# Altium PCB ALCT_MEZ_LX150T.PcbDoc (part 5 of 8)
Units mil, origin at the board's own origin, x right, y up, seen from the top; angles counter-clockwise.
Board outline 4101.98 x 5875.01 mil, 12 copper layers (Top Layer, Mid-Layer 1, +3V3, Mid-Layer 2, +1V2, Mid-Layer 4, +2V5, Mid-Layer 5, GND1, Mid-Layer 7, GND2, Bottom Layer), stack 64.7 mil thick; 378 components, 616 nets, 2487 pads, 1686 vias.
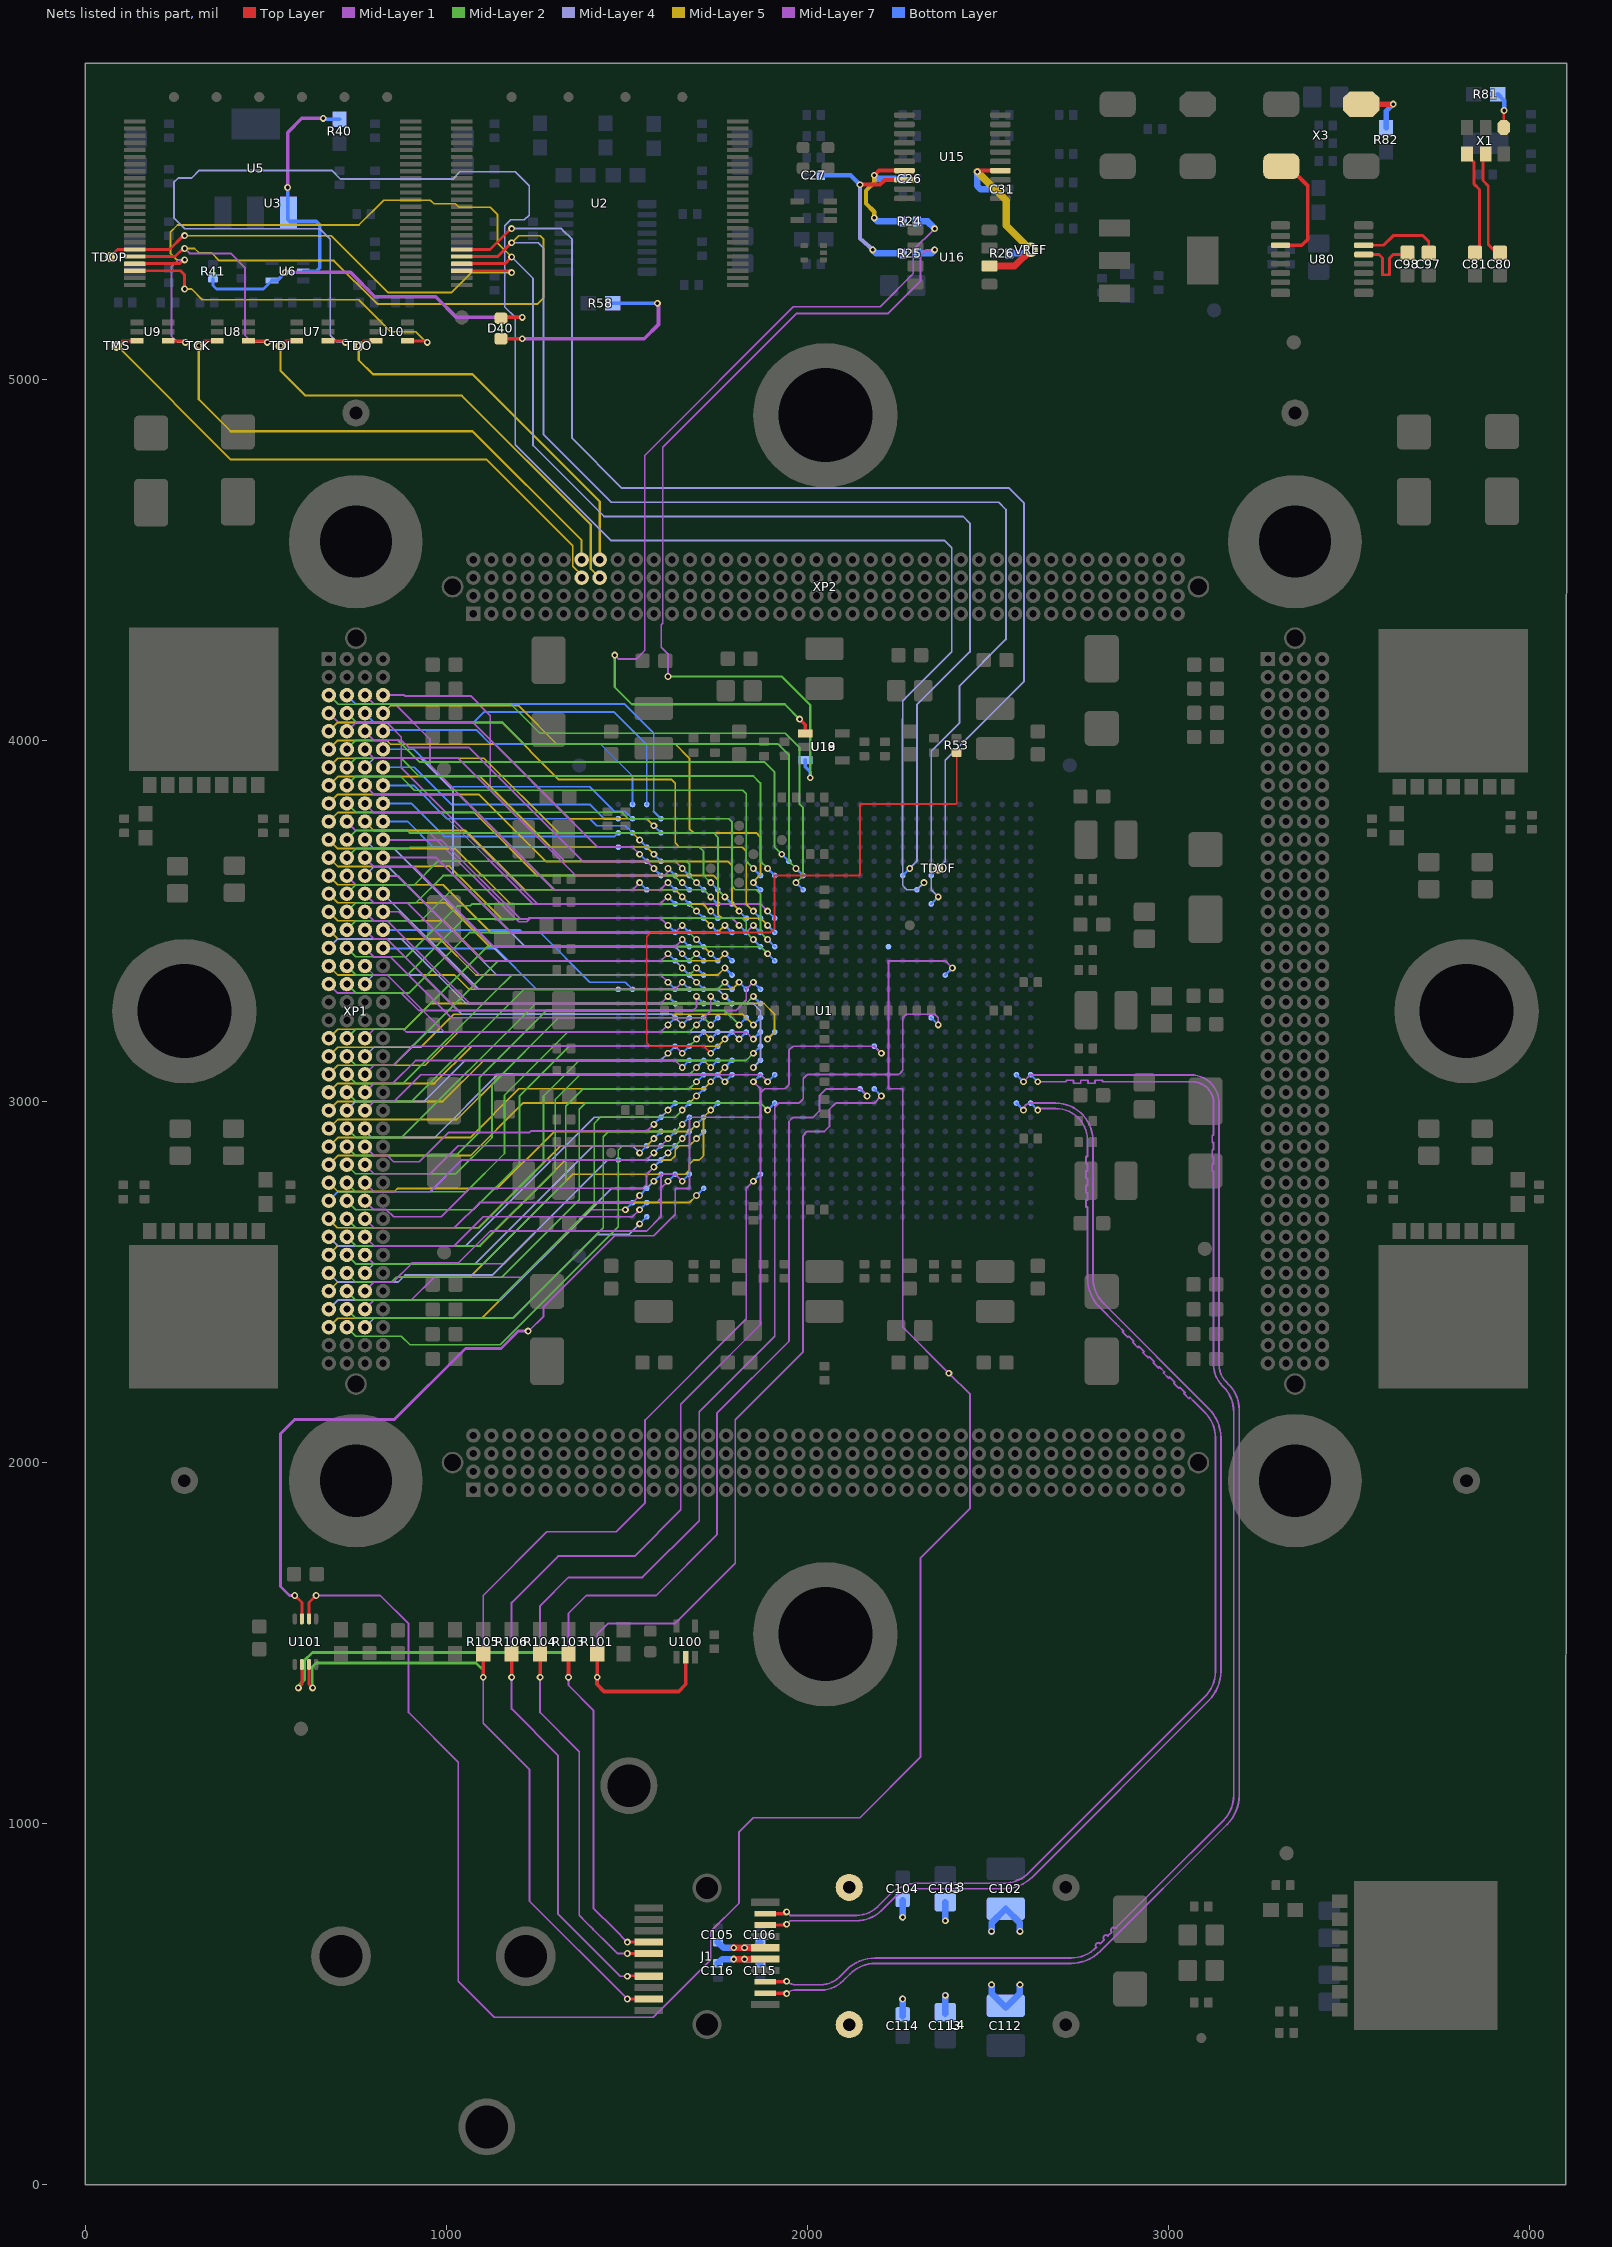
[diagram p15: the nets of this part, all layers, seen from the top]

## Via types
v1: diameter 19, hole 10, Top Layer to Bottom Layer, tented both sides, 1667 vias
v2: diameter 40, hole 20, Top Layer to Bottom Layer, 12 vias
v3: diameter 19, hole 10, Top Layer to Bottom Layer, 7 vias

## Nets (pads, with @x,y where several pads share a name; then routed paths per layer and width w, separated by ;. In a path a pad name is that pad's centre, name@x,y a point inside that pad or via, vN(x,y) a via of type N, cw(c..) or ccw(c..) an arc to the next point about the centre after c; other vN are vias at no path point) (continued)
osc0_n: C80.1 X1.5 | length 309
  Top Layer w4: X1.5@3868.11,5610.74 3868.11,5613.59 X1.5@3877.95,5623.43
  Top Layer w8: X1.5@3870.18,5610.74 3870.18,5549.61 3885.19,5534.61 3885.19,5451.19 ; 3885.19,5456.11 3885.19,5451.19 ; 3890.11,5367.53 3885.19,5372.45 ; C80.1@3907.48,5345.87 3907.48,5350.16 3885.19,5372.45 ; 3885.19,5372.45 3885.19,5451.19
osc0_p: C81.1 X1.4 | length 312.1
  Top Layer w4: C81.1@3848.43,5345.87 C81.1@3858.27,5355.71
  Top Layer w8: X1.4@3826.38,5623.43 3826.38,5619.5 3846.18,5599.7 3846.18,5539.67 3861.19,5524.66 3861.19,5437.38 ; C81.1@3858.27,5355.71 C81.1@3861.19,5358.64 ; C81.1@3861.19,5362.51 3861.19,5437.38 ; 3861.19,5456.11 3861.19,5437.38
osc80_lvcmos: U80.3 X3.3 | length 326.6
  Top Layer w10: U80.3@3310.04,5370.48 3369.09,5370.48 3385.83,5387.21 3385.83,5534.85 3331.69,5588.98 X3.3@3312.01,5588.98
osc80_n: C98.1 U80.13 | length 223.8
  Top Layer w8: U80.13@3540.35,5344.89 3582.68,5344.89 3592.52,5335.04 3592.52,5288.79 3612.2,5288.79 3612.2,5335.04 3622.05,5344.89 3656.5,5344.89 C98.1@3661.42,5349.81
osc80_p: C97.1 U80.14 | length 229.1
  Top Layer w8: U80.14@3540.35,5370.48 3595.47,5370.48 3622.05,5397.05 3704.72,5397.05 3720.47,5381.3 C97.1@3720.47,5349.81
POR: R40.2 U5.2 U6.2 | length 663.6
  Mid-Layer 7 w10: v1(561.02,5530.52) 561.02,5682.48 600.39,5721.86 v1(659.45,5721.86)
  Bottom Layer w10: v1(561.02,5530.52) 561.02,5442.33 566.93,5436.42 639.76,5436.42 649.61,5426.58 649.61,5308.47 639.76,5298.63 U6.2@604.33,5298.63 ; v1(659.45,5721.86) 661.42,5719.89 R40.2@704.72,5719.89
POR_A: D40.A R58.2 | length 637
  Top Layer w10: D40.A@1151.57,5111.62 v1(1210.63,5111.61)
  Mid-Layer 1 w10: v1(1210.63,5111.61) 1548.48,5111.61 1587.86,5150.99 1587.86,5206.82 v3(1584.64,5210.04)
  Bottom Layer w10: R58.2@1460.63,5210.05 v3(1584.64,5210.04)
POR_K: D40.K R41.1 U6.4 | length 1015.2
  Top Layer w10: D40.K@1151.57,5168.71 1153.53,5170.67 v1(1210.62,5170.66)
  Mid-Layer 1 w10: v3@551.18,5298.63 v3(554.42,5295.39) 734.7,5295.39 802.33,5227.76 971.21,5227.76 1028.32,5170.66 v1(1210.62,5170.66)
  Bottom Layer w8: R41.1@354.33,5278.94 354.33,5259.26 364.17,5249.41 494.09,5249.41 U6.4@517.72,5273.04
  Bottom Layer w10: U6.4@517.72,5273.04 532.07,5273.04 v3(554.42,5295.39)
RDWR_B: R53.1 U1.AC13 | length 1858.3
  Top Layer w5: v1(1732.29,3133.27) 1712.6,3152.96 1564.96,3152.96 1555.12,3162.8 1555.12,3456.13 1566.91,3467.92 1897.67,3467.92 1908.64,3478.89 1908.64,3625.4 2145.67,3625.4 2145.67,3823.63 2411.42,3823.63 2413.39,3825.6 R53.1@2413.39,3960.04
  Bottom Layer w6: v1(1732.29,3133.27) U1.AC13@1751.98,3152.95
sda1_3v3: U1.Y11 U101.7 | length 2544.6
  Top Layer w8: v1(580.71,1632.09) 600.39,1612.41 U101.7@600.39,1567.13
  Mid-Layer 1 w5: v3@1227.66,2362.9 1269.68,2404.93 1269.68,2431.8 1466.04,2628.15 1574.8,2628.15 1633.86,2687.2 1633.86,2759.26 1673.23,2759.26 1673.23,2956.11 1870.08,2956.11 1870.08,3034.85 v1(1850.39,3054.54)
  Mid-Layer 7 w8: v1(580.71,1632.09) 566.14,1632.09 541.34,1656.9 541.34,1701.78 541.34,2080.12 580.71,2119.49 856.3,2119.49 1053.15,2316.34 1151.57,2316.34 1199.19,2363.96 v3(1226.6,2363.96)
  Bottom Layer w6: v1(1850.39,3054.54) U1.Y11@1870.07,3074.23
sda2_3v3: U1.G18 U101.6 | length 5779.1
  Top Layer w8: U101.6@620.08,1567.13 620.08,1612.41 v1(639.76,1632.09)
  Mid-Layer 1 w5: v1(2391.73,2247.45) 2263.78,2375.4 2263.78,3034.85 2224.41,3034.85 2224.41,3388.48 2382.58,3388.48 v1(2401.58,3369.48)
  Mid-Layer 7 w5: v1(639.76,1632.09) 816.93,1632.09 895.67,1553.35 895.67,1308.08 1033.46,1170.28 1033.46,564.18 1133.17,464.47 1573.52,464.47 1732.28,623.23 1732.28,701.97 1811.02,780.71 1811.02,977.56 1850.39,1016.93 2145.67,1016.93 2312.99,1184.26 2312.99,1735.64 2450.5,1873.14 2450.5,2188.68 v1(2391.73,2247.45)
  Bottom Layer w6: U1.G18@2381.89,3349.81 v1(2401.58,3369.48)
sfp_disable: R101.2 U1.M10 U100.2 | length 2574.2
  Top Layer w10: R101.2@1418.11,1460.67 v1(1418.11,1405.56) 1417.32,1404.77 1417.32,1386.03 1437.01,1366.34 1643.7,1366.34 1663.39,1386.03 U100.2@1663.39,1460.83
  Mid-Layer 7 w5: v1(1418.11,1405.56) 1418.11,1525.01 1447.24,1554.14 1633.07,1554.14 1800.5,1721.57 1800.5,2118.81 1988.19,2306.5 1988.19,2904.94 2000.17,2916.92 2047.42,2916.92 2061.23,2930.72 2061.23,2977.96 2078.56,2995.29 2184.87,2995.29 v1(2204.73,3015.15)
  Bottom Layer w6: U1.M10@2185.04,3034.85 v1(2204.73,3015.15)
sfp_i2c_scl: J1.5 R104.2 U1.H15 | length 3718.4
  Top Layer w8: v1(1501.57,640.95) 1559.45,640.95 J1.5@1560.63,642.13
  Top Layer w10: v1(1259.84,1405.56) R104.2@1259.84,1460.67
  Mid-Layer 7 w5: 1406.69,707.68 1387.8,726.58 ; v1(1501.57,640.95) 1473.43,640.95 1387.8,726.58 ; v1(2362.21,3212) 2362.21,3231.69 2352.36,3241.54 2273.62,3241.54 2263.98,3231.9 2263.98,3086.21 2252.17,3074.4 2000.17,3074.4 1988.38,3062.61 1988.38,3007.44 1976.22,2995.28 1921.07,2995.28 1909.45,2983.67 1909.45,2349.79 1700.5,2140.84 1700.5,1839.57 1543.02,1682.09 1338.58,1682.09 1259.84,1603.35 1259.84,1582.88 v1(1259.84,1405.56) 1259.84,1308.08 1368.11,1199.81 1368.11,746.27 1387.8,726.58
  Bottom Layer w6: U1.H15@2342.52,3231.7 v1(2362.21,3212)
sfp_i2c_scl2: J1.7 R106.2 U1.M13 | length 3594.5
  Top Layer w8: v1(1501.57,577.96) 1502.76,579.14 1560.63,579.14 J1.7@1559.45,577.96
  Top Layer w10: v1(1181.1,1405.56) R106.2@1181.1,1460.67
  Mid-Layer 7 w5: v1(1501.57,577.96) 1482.28,577.96 1309.06,751.19 1309.06,1189.97 1181.1,1317.92 v1(1181.1,1405.56) 1181.1,1612.41 1309.84,1741.15 1521.55,1741.15 1649.5,1869.1 1649.5,2161.69 1870.08,2382.27 1870.08,3023.03 1881.9,3034.85 1937.04,3034.85 1948.82,3046.63 1948.82,3141.15 1960.43,3152.77 2185.23,3152.77 v1(2204.73,3133.27)
  Bottom Layer w6: U1.M13@2185.04,3152.96 v1(2204.73,3133.27)
sfp_i2c_sda: J1.4 R103.2 U1.N10 U101.2 | length 4123.5
  Top Layer w8: v1(590.55,1376.19) 600.39,1386.03 U101.2@600.39,1441.15 ; v1(1501.57,672.45) J1.4@1560.63,672.45
  Top Layer w10: v1(1338.58,1405.56) R103.2@1338.58,1460.67
  Mid-Layer 2 w8: v1@592.43,1384.15 607.11,1398.82 607.11,1451.8 629.92,1474.61 1318.9,1474.61 1338.58,1454.93 v1(1338.58,1405.56)
  Mid-Layer 7 w5: 1338.58,1525.01 1338.58,1573.04 ; v1(1501.57,672.45) 1466.54,707.49 1407.48,766.54 1407.48,1314.58 1338.58,1383.47 v1(1338.58,1405.56) 1338.58,1573.04 ; v1(2165.36,3015.15) 2145.86,3034.65 2052.17,3034.65 2033.17,3015.65 2033.17,2973.49 2015.59,2955.92 1960.43,2955.92 1949,2944.5 1949,2336.21 1749.5,2136.71 1749.5,1800.2 1581.39,1632.09 1387.8,1632.09 1338.58,1582.88 1338.58,1573.04
  Bottom Layer w6: U1.N10@2145.68,3034.83 v1(2165.36,3015.15)
sfp_i2c_sda2: J1.9 R105.2 U1.Y4 U101.3 | length 3671.7
  Top Layer w8: U101.3@620.08,1441.15 620.08,1386.03 v1(629.92,1376.19) ; v1(1501.57,514.97) J1.9@1560.63,514.97
  Top Layer w10: v1(1102.36,1405.56) R105.2@1102.36,1460.67
  Mid-Layer 1 w15: v1@1499.84,514.97 v1(1501.57,514.97)
  Mid-Layer 2 w8: v1(629.92,1376.19) 629.11,1377 629.11,1434.43 639.76,1445.08 1082.68,1445.08 1102.36,1425.4 v1(1102.36,1405.56)
  Mid-Layer 7 w5: 1230.32,904.53 1230.32,947.88 ; v1(1501.57,514.97) 1230.32,786.23 1230.32,947.88 ; v1(1850.39,2778.93) 1830.89,2759.43 1830.89,2398.24 1550.5,2117.85 1550.5,1888.79 1470.29,1808.58 1278.85,1808.58 1102.36,1632.09 v1(1102.36,1405.56) 1102.36,1278.55 1230.32,1150.6 1230.32,947.88
  Bottom Layer w6: v1(1850.39,2778.93) U1.Y4@1870.08,2798.62
sfp_tx2_n: J1.13 U1.A11 | length 4125.2
  Top Layer w10: J1.13@1883.46,562.21 v1@1935.33,562.21
  Mid-Layer 7 w5: v1(1942.52,564.18) ccw(c1966,587.66) 1966,554.45 2037.4,554.45 ccw(c2037.4,626.03) 2088.01,575.42 2107.3,594.71 cw(c2188.62,513.39) 2188.62,628.39 2273.62,628.39 ; 2263.78,628.39 2273.62,628.39 ; 2574.61,628.39 2549.21,628.39 ; v1(2637.8,3054.53) 2706.69,3054.53 2716.69,3054.53 2716.69,3058.53 2736.69,3058.53 2736.69,3054.53 2736.69,3050.53 2756.69,3050.53 2756.69,3054.53 2756.69,3058.53 2776.69,3058.53 2776.69,3054.53 2776.69,3050.53 2796.69,3050.53 2796.69,3054.53 2796.69,3058.53 2816.69,3058.53 2816.69,3054.53 2824.8,3054.53 3065.71,3054.53 cw(c3065.71,2995.48) 3124.76,2995.48 3124.76,2936.42 3124.76,2926.42 3124.76,2906.42 3120.76,2906.42 3120.76,2886.42 3124.76,2886.42 3124.76,2866.42 3120.76,2866.42 3120.76,2846.42 3124.76,2846.42 3124.76,2826.42 3120.76,2826.42 3120.76,2806.42 3124.76,2806.42 3124.76,2798.63 3124.76,2268.05 ; 3124.76,2270.95 ccw(c3206.97,2270.95) 3148.84,2212.82 3151.22,2210.45 ; 3151.22,2210.45 cw(c3080.51,2139.74) 3180.51,2139.74 3180.51,1079.41 cw(c3080.51,1079.41) 3151.22,1008.7 2967.52,825.01 2860.04,717.53 2853.23,710.71 ccw(c2847.92,705.41) 2842.62,700.11 2832.01,689.5 ccw(c2826.71,684.2) 2821.41,678.89 2810.8,668.29 ccw(c2805.5,662.98) 2800.2,657.68 cw(c2729.48,728.39) 2729.48,628.39 2549.21,628.39 ; 2273.62,628.39 2549.21,628.39
  Bottom Layer w6: U1.A11@2618.11,3074.22 v1(2637.8,3054.53)
sfp_tx2_p: J1.12 U1.B11 | length 4105.2
  Top Layer w10: J1.12@1883.46,530.71 1941.53,530.71 v1(1942.52,529.73)
  Mid-Layer 7 w5: v1(1942.52,529.73) cw(c1966,506.25) 1945.27,532.19 cw(c1966,506.25) 1966,539.45 2037.4,539.45 ccw(c2037.4,626.03) 2098.62,564.81 2117.91,584.1 cw(c2188.62,513.39) 2188.62,613.39 2729.48,613.39 ccw(c2729.48,728.39) 2810.8,647.07 3161.82,998.1 ccw(c3080.51,1079.41) 3195.51,1079.41 3195.51,2146.71 ccw(c3097.34,2146.71) 3166.75,2216.13 3159.45,2223.43 cw(c3206.97,2270.95) 3139.76,2270.95 ; v1(2598.43,3054.53) 2617.43,3073.53 3061.71,3073.53 cw(c3061.71,2995.48) 3139.76,2995.48 3139.76,2936.42 3139.76,2926.42 3139.76,2906.42 3139.76,2806.42 3139.76,2798.63 3139.76,2268.05
  Bottom Layer w6: U1.B11@2578.74,3074.22 v1(2598.43,3054.53)
SFP_TX_N: J1.19 U1.A9 | length 3475.3
  Top Layer w10: J1.19@1883.46,751.19 v1@1937.6,751.19
  Mid-Layer 7 w5: v1(1942.52,756.11) 1952.24,746.38 1978.35,746.38 ; 1968.5,746.38 1978.35,746.38 ; 2116.11,746.38 2096.46,746.38 ; v1(2637.8,2975.79) 2642.48,2980.48 2687.01,2980.48 cw(c2687.01,2891.9) 2775.59,2891.9 2775.59,2877.37 2775.59,2867.37 2775.59,2847.37 2771.59,2847.37 2771.59,2827.37 2775.59,2827.37 2775.59,2807.37 2771.59,2807.37 2771.59,2787.37 2775.59,2787.37 2775.59,2767.37 2771.59,2767.37 2771.59,2747.37 2775.59,2747.37 2775.59,2727.37 2771.59,2727.37 2771.59,2707.37 2775.59,2707.37 2775.59,2513.19 2775.59,2511.62 ccw(c2890.59,2511.62) 2809.27,2430.3 2854.33,2385.24 2861.4,2378.17 2875.54,2364.03 2872.72,2361.2 2886.86,2347.06 2889.69,2349.89 2903.83,2335.74 2901,2332.92 2915.14,2318.77 2917.97,2321.6 2932.11,2307.46 2929.28,2304.63 2943.43,2290.49 2946.25,2293.32 2960.4,2279.18 2957.57,2276.35 2971.71,2262.21 2974.54,2265.03 2988.68,2250.89 2985.85,2248.06 2999.99,2233.92 3002.82,2236.75 3016.97,2222.61 3014.14,2219.78 3028.28,2205.64 3031.11,2208.47 3045.25,2194.32 3042.42,2191.49 3056.56,2177.35 3059.39,2180.18 3070.87,2168.71 3100.63,2138.94 cw(c3029.92,2068.23) 3129.92,2068.23 3129.92,1678.63 3129.92,1422.53 cw(c3029.92,1422.53) 3100.63,1351.82 2613.19,864.37 cw(c2542.48,935.08) 2542.48,835.08 2306.73,835.08 ccw(c2306.73,720.08) 2225.41,801.4 2194.88,770.87 cw(c2135.76,829.99) 2135.76,746.38 2096.46,746.38 ; 1978.35,746.38 2096.46,746.38
  Bottom Layer w6: U1.A9@2618.11,2995.48 v1(2637.8,2975.79)
SFP_TX_P: J1.18 U1.B9 | length 3459.3
  Top Layer w8: J1.18@1883.46,719.69 1937.2,719.69 v1@1938.39,720.87
  Top Layer w14: v1@1938.39,720.87 1939.17,721.66 v1(1942.52,721.66)
  Mid-Layer 7 w5: v1(1942.52,721.66) 1952.24,731.38 2135.76,731.38 ccw(c2135.76,829.99) 2205.49,760.27 2236.02,790.79 cw(c2306.73,720.08) 2306.73,820.08 2542.48,820.08 ccw(c2542.48,935.08) 2623.79,853.77 3111.24,1341.21 ccw(c3029.92,1422.53) 3144.92,1422.53 3144.92,1678.63 3144.92,2068.23 ccw(c3029.92,2068.23) 3111.24,2149.55 2819.88,2440.91 cw(c2890.59,2511.62) 2790.59,2511.62 2790.59,2891.9 ccw(c2687.01,2891.9) 2687.01,2995.48 2618.11,2995.48 ccw(c2618.11,2975.79) v1(2598.43,2975.79)
  Bottom Layer w6: U1.B9@2578.74,2995.48 v1(2598.43,2975.79)
sfp_vcct: C102.1 C103.1 C104.1 C105.1 C106.1 J1.16 L3.1 | length 449.6
  Top Layer w10: J1.16@1882.48,657.68 J1.16@1883.46,656.7
  Top Layer w18: v1@1796.26,657.68 1795.28,656.7 J1.16@1883.46,656.7
  Bottom Layer w18: C105.1@1751.97,672.45 1767.72,656.7 v1(1796.26,656.7) ; v1(1825.79,656.7) 1854.33,656.7 C106.1@1870.08,672.45 ; v1(2263.78,741.34) C104.1@2263.78,788.59 ; v1(2381.89,731.5) C103.1@2381.89,782.68 ; v1(2509.84,701.97) 2509.84,725.6 C102.1@2549.21,764.97 2588.58,725.6 v1(2588.58,701.97)
sfp_vcct2: C112.1 C113.1 C114.1 C115.1 C116.1 J1.15 L4.1 | length 445.4
  Top Layer w10: v1@1825.79,623.23 v1@1827.76,625.2
  Top Layer w18: v1(1796.26,625.2) 1827.76,625.2 J1.15@1883.46,625.2
  Bottom Layer w18: C116.1@1751.97,613.39 1763.78,625.2 v1(1796.26,625.2) ; v1(1825.79,625.2) 1858.27,625.2 C115.1@1870.08,613.39 ; C114.1@2263.78,467.72 C114.1@2263.78,472.64 v1(2263.78,514.97) ; C113.1@2381.89,473.63 C113.1@2381.89,478.55 v1(2381.89,524.81) ; v1(2509.84,554.34) 2509.84,530.71 2549.21,491.34 2588.58,530.71 v1(2588.58,554.34)
TCK_2V5: U1.H23 U2.20 U3.20 U8.4 | length 5286
  Top Layer w8: U3.20@137.8,5339.18 249.21,5339.18 v1@271.65,5361.62 ; U8.4@459.32,5105.71 500.66,5105.71 v1(504.59,5101.78) ; U2.20@1043.31,5339.18 1142.91,5339.18 v1(1181.1,5377.37)
  Mid-Layer 1 w5: v1(275.59,5361.62) 289.37,5347.84 403.54,5347.84 442.91,5308.47 442.91,5121.46 462.6,5101.78 v1@501.97,5101.78
  Mid-Layer 4 w5: v1(1181.1,5377.37) 1254.92,5377.37 1269.68,5362.6 1269.68,4845.87 1456.69,4658.86 2529.53,4658.86 2549.5,4638.89 2549.5,4279.25 2421.26,4151.01 2421.26,4048.63 2342.7,3970.07 2342.7,3755.12 2342.7,3585.84 v1(2362.21,3566.33)
  Mid-Layer 5 w5: v1(275.59,5361.62) 303.13,5361.62 315.63,5349.12 350.39,5349.12 371.54,5327.97 689.16,5327.97 808.87,5208.26 1253.14,5208.26 1269.68,5224.81 1269.68,5387.21 1259.84,5397.05 1200.79,5397.05 v1(1181.1,5377.37)
  Bottom Layer w6: U1.H23@2342.52,3546.66 v1(2362.21,3566.33)
TCK_Pr: TCK.1 U8.3 XP2.D7 | length 1480
  Top Layer w8: v1(314.96,5091.93) 328.74,5105.71 U8.3@366.14,5105.71
  Mid-Layer 5 w6: v1(314.96,5091.93) 314.96,4944.3 403.54,4855.71 1072.83,4855.71 1375,4553.55 XP2.D7@1375,4500.01
TDI_2V5: U1.J24 U7.4 | length 5148.1
  Top Layer w8: U7.4@675.85,5105.71 717.19,5105.71 v1(721.13,5101.78)
  Mid-Layer 4 w5: v1(721.13,5101.78) 698.82,5101.78 679.13,5121.46 679.13,5387.21 650.29,5416.05 276.28,5416.05 246.06,5446.27 246.06,5544.69 258.12,5556.75 295.28,5556.75 316.39,5577.86 683.06,5577.86 707.26,5553.66 1017.5,5553.66 1038.06,5574.22 1190.94,5574.22 1229.63,5535.53 1229.63,5454.07 1216.55,5440.99 1178.4,5440.99 1162.04,5424.63 1162.04,5199.58 1190.94,5170.67 1190.94,4818.21 1455.91,4553.25 2379.24,4553.25 2399.5,4532.99 2399.5,4245.35 2263.78,4109.63 2263.78,4058.47 ; 2263.78,3654.93 2263.78,3597.82 2275.39,3586.21 2303.36,3586.21 v1(2322.84,3605.7)
  Mid-Layer 4 w5.12: 2263.78,3654.93 2263.78,4058.47
  Bottom Layer w6: U1.J24@2303.16,3586.02 v1(2322.84,3605.7)
TDI_PR: TDI.1 U7.3 XP2.C8 | length 1312
  Top Layer w8: v1(541.34,5091.93) 555.12,5105.71 U7.3@585.96,5105.71
  Mid-Layer 5 w6: v1(541.34,5091.93) 541.34,5023.04 610.24,4954.14 1043.31,4954.14 1400,4597.45 1400,4475.01 XP2.C8@1425,4450.01
TDO_2V5: U3.22 U10.4 | length 959.1
  Top Layer w8: U3.22@137.8,5299.81 264.57,5299.81 275.59,5288.79 v1(275.59,5249.41) ; U10.4@902.23,5105.71 943.57,5105.71 v1(947.51,5101.78)
  Mid-Layer 5 w5: v1(275.59,5249.41) 295.28,5249.41 324.8,5219.89 757.87,5219.89 846.46,5131.3 915.35,5131.3 v1@944.88,5101.78
TDO_FPGA: TDOF.1 U1.H25 U2.19 | length 3357.1
  Top Layer w8: U2.19@1043.31,5358.86 1121.26,5358.86 v1@1181.1,5418.71
  Mid-Layer 4 w5: 1348.43,4836.03 1486.22,4698.23 2559.06,4698.23 2599.5,4657.79 2599.5,4161.89 2381.89,3944.28 2381.89,3664.75 v1(2362.21,3645.07)
  Mid-Layer 4 w5.12: v1(1181.1,5416.74) 1318.9,5416.74 1348.43,5387.21 1348.43,4836.03
  Bottom Layer w6: U1.H25@2342.52,3625.4 v1(2362.21,3645.07)
TDO_PR: TDO.1 U10.3 XP2.D8 | length 1089.9
  Top Layer w8: v1(757.87,5091.93) 771.65,5105.71 U10.3@805.77,5105.71 U10.3@812.34,5105.71
  Mid-Layer 5 w6: v1(757.87,5091.93) 757.87,5052.56 797.24,5013.19 1072.83,5013.19 1425,4661.03 XP2.D8@1425,4500.01
TDO_PROM0: TDOP.1 U2.22 U3.19 | length 1360.7
  Top Layer w8: v1(68.9,5338) 89.76,5358.86 U3.19@137.8,5358.86 233.46,5358.86 v1@271.65,5397.05 ; U2.22@1043.31,5299.81 1175.98,5299.81 v1(1181.1,5294.69)
  Mid-Layer 5 w5: v1(275.59,5397.05) 681.8,5397.05 839.28,5239.57 1013.78,5239.57 1068.9,5294.69 v1(1181.1,5294.69)
TMS_2V5: U1.K25 U2.21 U3.21 U9.4 | length 4709.1
  Top Layer w8: U3.21@137.8,5319.49 261.02,5319.49 v1@271.65,5330.12 ; U9.4@232.94,5105.71 274.28,5105.71 v1(278.22,5101.78) ; U2.21@1043.31,5319.49 1162.6,5319.49 v1(1181.1,5338)
  Mid-Layer 1 w5: v1(275.59,5330.12) 258.77,5330.12 238.99,5310.34 238.99,5119.33 256.54,5101.78 v1(278.22,5101.78)
  Mid-Layer 4 w5: v1(1181.1,5338) 1240.16,5278.94 1240.16,4816.34 1437.01,4619.49 2431.1,4619.49 2450,4600.6 2450,4244.69 2303.15,4097.84 2303.15,3664.74 v1(2283.48,3645.07)
  Mid-Layer 5 w5: v1(275.59,5330.12) 253.94,5330.12 236.22,5347.84 236.22,5406.9 255.91,5426.58 758.27,5426.58 826.98,5495.29 956.3,5495.29 966.14,5485.45 1025.76,5485.45 1035.41,5475.79 1122.05,5475.79 1141.75,5456.09 1141.75,5377.37 v1(1181.1,5338)
  Bottom Layer w6: U1.K25@2263.78,3625.4 v1(2283.48,3645.07)
TMS_Pr: TMS.1 U9.3 XP2.C7 | length 1653.4
  Top Layer w8: v1(88.58,5091.93) 102.36,5105.71 U9.3@143.7,5105.71 U9.3@146.33,5105.71
  Mid-Layer 5 w5: v1(88.58,5091.93) 403.54,4776.97 1112.2,4776.97 1350.5,4538.68 1350.5,4482.09 1375,4457.59 XP2.C7@1375,4450.01
unused4: U1.L20
VREF: C31.1 R26.2 U15.14 U16.6 VREF.1 | length 621.8
  Top Layer w11: v1@2470.47,5577.17 U15.14@2534.45,5577.17
  Top Layer w20: U16.6@2504.07,5313 2573.43,5313 v2(2618.11,5357.68)
  Mid-Layer 5 w20: v1(2470.47,5574.22) 2550.39,5494.3 2550.39,5425.4 v2(2618.11,5357.68)
  Bottom Layer w18: v1(2470.47,5574.22) 2470.47,5534.85 2480.32,5525.01 C31.1@2515.75,5525.01 ; R26.2@2564.96,5347.84 2604.33,5347.84 2616.14,5359.65 v2(2618.11,5357.68)
VTBOT: R25.1 U19.1 | length 2395.6
  Mid-Layer 1 w5: v1(1614.17,4176.58) 1614.17,4238.29 1595.17,4257.29 1595.17,4319.39 1599.5,4323.72 1599.5,4811.51 1969.19,5181.2 2223.04,5181.2 2312.99,5271.15 2312.99,5342.07 2328.61,5357.68 v1(2352.36,5357.68)
  Mid-Layer 2 w6: v1(1614.17,4176.58) 1929.13,4176.58 2007.87,4097.84 v1(2007.87,3896.07)
  Bottom Layer w10: U19.1@1994.09,3945.28 1994.09,3926.58 2007.87,3912.8 v1(2007.87,3896.07)
  Bottom Layer w18: R25.1@2309.06,5347.84 2342.52,5347.84 v1(2352.36,5357.68)
VTbot_adc: C27.1 R25.2 U15.8 | length 525
  Top Layer w11: v1(2145.67,5538.22) 2201.21,5538.22 2214.57,5551.58 U15.8@2268.7,5551.58
  Mid-Layer 4 w11.81: v1(2145.67,5538.22) 2145.67,5389.18 v1(2181.1,5357.68)
  Bottom Layer w12: C27.1@2037.4,5564.38 2119.51,5564.38 v1(2145.67,5538.22)
  Bottom Layer w18: v1(2181.1,5357.68) 2190.94,5347.84 R25.2@2257.87,5347.84
VTTOP: R24.1 U18.1 | length 2473.1
  Top Layer w10: v1(1978.35,4058.47) 1994.09,4042.72 U18.1@1994.09,4019.1
  Mid-Layer 1 w5: v1(1466.54,4235.64) 1477.53,4224.65 1525.59,4224.65 1549.5,4248.55 1549.5,4788.38 1961.32,5200.2 2201.14,5200.2 2293.31,5292.37 2293.31,5357.68 v1(2352.36,5416.74)
  Mid-Layer 2 w6: v1(1466.54,4235.64) 1466.54,4147.05 1513.96,4099.62 1937.19,4099.62 v1(1978.35,4058.47)
  Bottom Layer w18: R24.1@2309.06,5436.42 2332.68,5436.42 v1(2352.36,5416.74)
VTtop_adc: C26.1 R24.2 U15.7 | length 381.8
  Top Layer w11: v1(2185.04,5564.38) 2197.83,5577.17 U15.7@2268.7,5577.17
  Mid-Layer 5 w11.81: v1(2185.04,5446.27) 2185.04,5463.08 2162.13,5485.99 2162.13,5521.79 2185.04,5544.69 v1(2185.04,5564.38)
  Bottom Layer w18: v1(2185.04,5446.27) 2194.88,5436.42 R24.2@2257.87,5436.42 ; v1(2185.04,5564.38) 2194.88,5554.53 C26.1@2259.84,5554.53
x1_en: R81.2 X1.1 | length 100.3
  Top Layer w8: X1.1@3927.95,5696.27 3927.95,5742.33 v1(3929.13,5743.51)
  Bottom Layer w11.81: R81.2@3911.42,5788.79 3929.13,5771.07 v1(3929.13,5743.51)
x3_en: R82.2 X3.1 | length 161.7
  Top Layer w15: X3.1@3533.46,5761.23 v1(3622.05,5761.23)
  Bottom Layer w15: R82.2@3602.36,5696.27 3602.36,5741.54 v1(3622.05,5761.23)
XP1A_3: U1.U24 XP1.A3 | length 1777.5
  Mid-Layer 2 w5: XP1.A3@675,4125.01 700.5,4099.51 1179.44,4099.51 1259.66,4019.29 1938.79,4019.29 1978.35,3979.73 1978.35,3822.25 1988.03,3812.57 1988.03,3625.22 v1(1968.51,3605.7)
  Bottom Layer w6: v1(1968.51,3605.7) U1.U24@1988.19,3586.02
XP1A_4: U1.W22 XP1.A4 | length 1520
  Mid-Layer 7 w5: XP1.A4@675,4075.01 700.5,4049.51 835.15,4049.51 875.69,4008.97 875.69,3923.62 1253.34,3545.97 1448.12,3545.97 1448.62,3546.47 1870.27,3546.47 v1(1889.78,3526.97)